# Allegro board pc065a_toplevel_58.brd (continued)
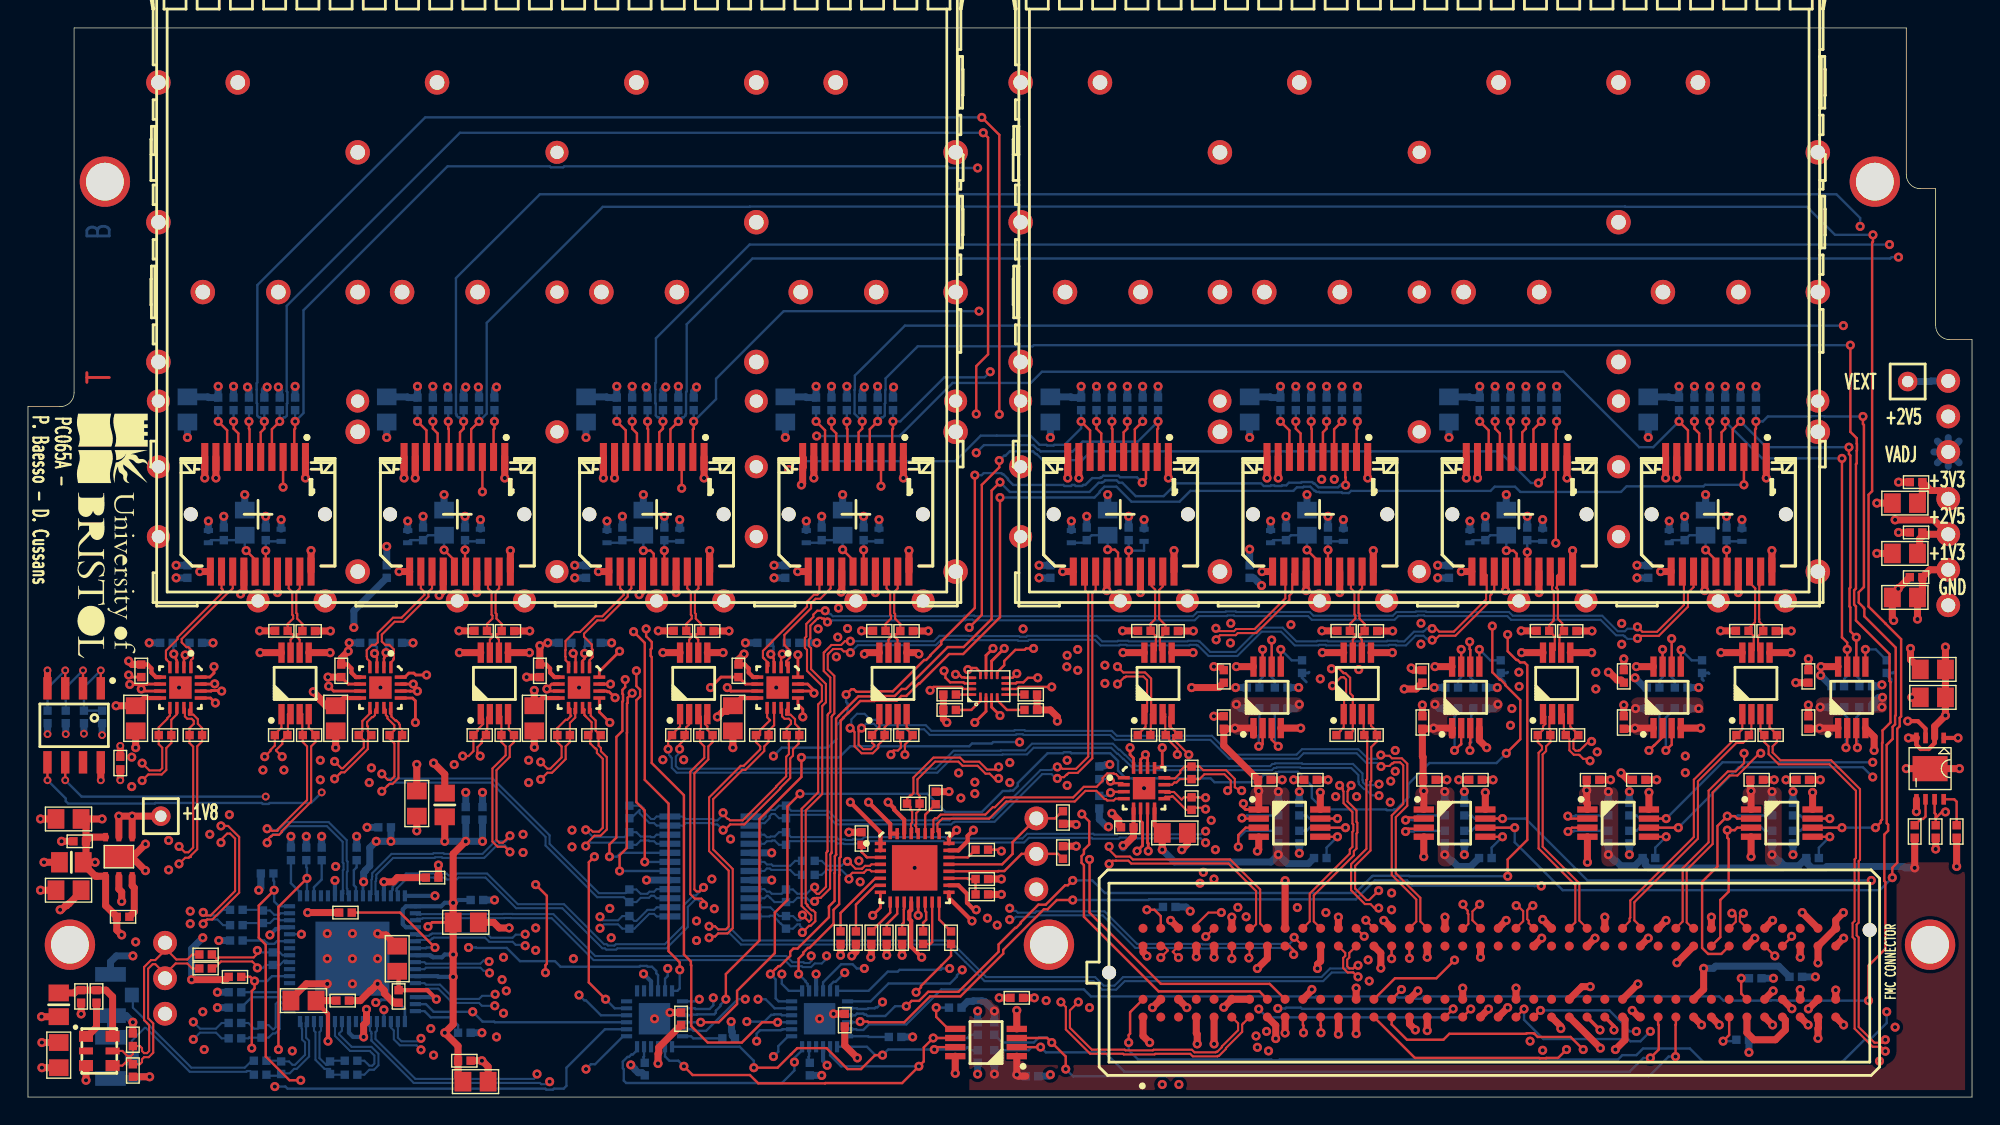
[diagram p0: board, top side]
## Routing (per net, layer and track width the routed paths; a pad name or vN(x,y) marks a point on that pad's centre or on a via; arc(x,y) is an arc through that point) (continued)
P1V3: length 39.9
  TOP w0.3: U11.2 136.32,25.33 135.9,24.9 135.33,24.9 135.03,25.2 U11.4
  TOP w0.5: R34.2 v2(30.82,33.36) ; R124.2 v2(83.32,33.35) ; R35.2 v2(35.87,33.35) ; R123.2 v2(78.27,33.36) ; R108.2 v2(111.82,33.35) ; R50.2 v2(59.6,33.36) ; R42.2 v2(45.07,33.36) ; R100.2 v2(126.07,33.35) ; R107.2 v2(106.77,33.36) ; J40.2 135.98,37.73 C36.2 135.45,36.1 C37.2 v2(135.1,34.2) ; R23.2 v2(21.62,33.35) ; U11.4 v2(134.45,25.7) ; R51.2 v2(64.37,33.35) ; R116.2 v2(97.57,33.35) ; R43.2 v2(50.12,33.35) ; v2(137.1,32.2) C100.2 C99.2 v2(137.1,27.3) 136.32,26.52 U11.2 ; R99.2 v2(121.02,33.36) ; R22.2 v2(16.57,33.36) ; R115.2 v2(92.52,33.36)
  L5_PWR w0.5: 136.52,38.51 J40.2 ; J40.2 137.3,38.76 ; J40.2 137.3,36.7 ; J40.2 138.08,36.95 ; J40.2 136.52,36.95 ; J40.2 136.27,37.73 ; J40.2 138.08,38.51
P1V8A: length 27.5
  TOP w0.3: C16.2 26.4,8.72 26.5,8.62 C18.2 28.55,7.65 v2(29.2,7) ; v2(21.45,4) 21.45,5.95 20.6,6.8 C19.2
  TOP w0.5: U2.5 v2(6.5,20.1) v2(7.45,20.1) ; U2.4 v2(7.45,20.1) ; v2(7.45,20.1) TP1.1 ; C20.2 C19.2
  L5_PWR w0.5: TP1.1 9.5,20.98 ; TP1.1 10.17,20.77 ; TP1.1 9.5,19.22 ; TP1.1 8.62,20.1 ; TP1.1 10.17,19.43 ; TP1.1 10.38,20.1 ; TP1.1 8.83,20.77 ; TP1.1 8.83,19.43
  BOTTOM w0.3: IC3.60 v2(21.45,4) ; v2(29.1,14.4) IC3.32 ; IC3.46 29.05,7.15 v2(29.2,7)
P2V5: length 173.5
  TOP w0.2: IC6.13 40.85,27.55 v2(41.6,26.8) ; v2(28.5,30.2) 27.73,30.2 27.59,30.34 27.24,30.34 26.95,30.05 IC5.16 ; IC13.16 79.05,24.24 78.8,24.49 v2(78.8,25) ; IC21.3 68.9,27.9 v2(69.5,27.3) ; IC4.13 13.05,28.55 v2(13.4,28.2) ; v2(27.7,26.8) 27.7,28.35 27.5,28.55 IC5.13 ; 88,20.58 87.05,20.58 86.9,20.72 v2(86.9,21) ; IC4.16 13.01,30.05 13.3,30.34 v2(13.3,30.8) ; v2(42.3,31.9) 40.85,30.45 IC6.16 ; IC13.13 80.9,23.55 81.1,23.75 v2(81.1,25) ; v2(55.4,27.2) 55.4,27.75 55.05,28.1 IC7.13 ; IC7.16 v2(55.05,31.65)
  TOP w0.3: C105.2 22.55,28.55 IC5.8 ; IC5.5 23.45,30.05 23.13,30.37 23.13,30.67 22.85,30.95 C104.2 ; IC6.5 37.65,30.05 37.33,30.37 37.33,30.67 37.05,30.95 C106.2 ; IC13.8 80.55,19.45 C111.2 ; IC4.5 9.15,30.05 8.83,30.37 8.83,30.67 8.55,30.95 C102.2 ; IC7.8 50.95,28.55 C109.2 ; IC6.8 36.75,28.55 C107.2 ; IC7.5 51.85,30.05 51.53,30.37 51.53,30.67 51.25,30.95 C108.2 ; IC4.8 8.25,28.55 C103.2 ; IC13.5 C110.2
  TOP w0.5: 129.43,26.4 v2(128.1,26.4) 128.05,26.35 C95.2 ; R183.1 v2(134.9,16.4) ; C79.2 70.8,1.5 v2(70.7,1.6) IC11.1 ; 99.8,20.58 v2(99.8,21.9) 99.75,21.95 C83.2 99.75,24.33 99.7,24.38 C91.2 100.45,26.35 v2(100.5,26.4) IC18.1 101.83,25.9 ; 135.58,40.27 J40.3 136.27,41.3 v2(133.5,41.3) ; 135.58,40.27 C38.2 ; 135.58,40.27 135.26,39.95 135.26,39.06 C39.2 ; C87.2 123.15,21.95 v2(123.2,21.9) 123.2,20.58 ; C107.2 v2(36.2,29.1) ; v2(22.9,31.9) 22.4,31.4 C104.2 ; v2(20.4,29) 20.9,28.5 20.9,28.4 21.3,28 C105.2 ; C93.2 114.85,26.35 v2(114.9,26.4) 116.22,26.4 ; 87.62,25.9 IC17.1 v2(86.3,26.4) 86.25,26.35 C89.2 85.5,25.15 C81.2 87.95,21.95 ; v2(81.1,25) 81.09,24.99 ; C109.2 50,27.6 49.7,27.6 49.3,27.2 v2(49.29,27.2) ; v2(78.3,18) 78.4,18 79.05,18.65 C110.2 ; 87.95,21.95 v2(88,21.9) 88,20.58 ; 87.95,21.95 87.9,22 ; v2(7.2,31.2) 7.45,30.95 C102.2 ; 111.5,20.58 111.5,21.01 111.45,21.06 v2(111.45,21.95) ; C111.2 v2(81.1,17.7) ; v2(51.2,31.7) 50.8,31.3 C108.2 ; 111.5,21.9 v2(111.45,21.95) ; v2(111.45,21.95) C85.2 ; C103.2 v2(6.3,28) ; C106.2 v2(36.6,32.3)
  L5_PWR w0.5: J39.2 137.3,49.73 ; J39.2 136.27,48.7 ; J39.2 138.08,47.92 ; J39.2 136.52,49.48 ; J39.2 136.52,47.92 ; J39.2 138.08,49.48 ; J39.2 137.3,47.67
  BOTTOM w0.2: 91.6,30.4 91.55,30.35 R158.1 91.1,30 91.4,29.7 ; 105.8,30.4 105.75,30.35 R163.1 105.3,30 105.6,29.7 ; 133.4,30.4 133.35,30.35 R173.1 132.9,30.2 133.2,29.9 133.2,29.7 ; 120.2,30.3 120.15,30.35 R168.1 119.7,29.9 119.8,29.8
  BOTTOM w0.5: v2(132.56,27.9) R171.2 131.85,28.1 131.9,28.15 131.9,28.17 132.28,28.56 132.31,28.56 132.35,28.6 v2(132.6,28.6) ; v2(81.1,17.7) 81.98,16.82 88.87,16.82 v2(89.4,17.35) ; R147.2 v2(113,21.85) ; v2(70.7,1.6) 70.8,1.5 C79.2 ; 125.59,16.55 125.26,16.88 125.16,16.88 v2(124.7,17.35) R151.2 ; 125.59,16.55 125.43,16.39 115.88,16.39 115.64,16.63 115.64,16.91 R148.1 114.9,16.55 113.89,16.55 113.56,16.88 113.46,16.88 v2(113,17.35) R146.2 ; 125.59,16.55 126.6,16.55 R153.1 127.2,17.05 127.2,16.74 127.55,16.39 128.52,16.39 128.63,16.5 134.1,16.5 134.2,16.4 v2(134.9,16.4) ; R66.1 v2(41.73,32.5) ; R157.2 86.7,27.8 86.4,28.1 v2(86.4,28.1) ; R141.2 v2(101.3,17.35) 101.76,16.88 101.86,16.88 102.25,16.5 103.15,16.5 R143.1 ; v2(78.3,18) 78.3,17.82 ; R137.2 v2(89.4,21.85) ; R58.1 v2(13.23,32.5) ; R142.2 v2(101.3,21.85) ; R162.2 100.9,27.8 100.6,28.1 v2(100.6,28.1) ; R166.2 v2(119.45,27.8) ; R161.2 104.8,27.8 v2(105.1,28.1) ; R71.1 v2(51.3,32.5) ; R136.2 v2(89.4,17.35) ; v2(89.4,17.35) 90.05,16.7 91.55,16.7 R138.1 ; v2(77.26,19.34) 77.13,19.34 76.6,19.87 R96.1 ; R152.2 v2(124.7,21.85) ; R167.2 v2(114.95,27.8) ; R172.2 v2(128.15,27.9) ; R70.1 v2(56.4,32.5) ; R131.2 v2(69.1,6.15) 68.41,6.84 68.25,6.84 68.2,6.89 67.6,6.89 67.55,6.84 67.19,6.84 R133.1 ; R59.1 v2(8.67,32.5) ; R95.1 76.66,23.7 76.98,23.7 77.08,23.8 v2(77.35,23.8) ; v2(90.9,28.1) 90.6,27.8 R156.2 ; R132.2 v2(69.1,1.65) ; R62.1 v2(27.53,32.5) ; R63.1 v2(22.97,32.5) ; R67.1 v2(37.17,32.5)
P3V3: length 194.8
  TOP w0.2: IC21.2 68.5,27.6 v2(67.7,26.8)
  TOP w0.3: v2(67.8,13.4) 67.64,13.4 67.14,13.9 67.14,14.54 66.53,15.15 IC9.18 ; IC9.24 65.85,18.55 v2(66.4,19.1) ; v2(60.1,21.1) 61.65,19.55 IC9.32 IC9.31 ; v2(58.8,21.1) 60.95,18.95 IC9.1 IC9.2 ; U11.1 v2(138,25.7) ; IC9.12 63.15,13.4 63.02,13.26 63.02,12.74 63.15,12.6 63.15,10.75 v2(63.9,10)
  TOP w0.5: 127.6,20.58 v2(127.6,21.8) ; v2(98.4,29.2) 99.25,29.2 C92.2 ; v2(73.6,26.9) 73.6,27.2 73.1,27.7 R176.2 R178.2 ; 18.12,31.8 v2(16.6,31.8) ; R182.1 v2(136.4,17.75) ; IC18.8 v2(100.6,30.8) ; C97.2 58.4,3.7 v2(59.3,2.8) ; U9.8 v2(92.55,31.8) ; v2(127.98,4.2) 127.98,4.9 128.02,4.93 128.02,5.46 127.98,5.49 J10.C39 ; R94.2 v2(74.95,17.95) ; v2(83.2,29.3) 85.15,29.3 C90.2 ; 124.17,7 v2(124.78,7.6) ; 129.43,30.8 v2(128.2,30.8) ; J40.4 136.71,43.4 136.05,43.4 C1.2 135.45,42.85 C2.2 ; 126.72,7 v2(126.72,7.69) ; U5.8 v2(45.4,31.8) ; 116.22,30.8 v2(115,30.8) ; C88.2 v2(125.7,22.7) ; R84.1 v2(61.4,10.15) ; U6.8 59.9,31.8 v2(59.8,31.7) ; v2(113.9,23.2) 114.4,22.7 C86.2 ; C80.2 v2(69.45,7.1) ; R93.2 74.89,19.55 v2(74.95,19.49) ; C84.2 v2(102.3,22.7) ; L1.1 v2(1.15,16.8) ; U7.8 v2(121.05,31.8) ; C4.2 v2(0.9,14.8) ; C3.2 v2(27.8,23.8) ; U8.8 v2(106.8,31.8) ; C82.2 v2(90.5,22.7) ; C98.2 45.1,3.55 45.1,3.15 45.05,3.1 v2(45.05,2.4) ; L3.1 v2(0.97,5.75) ; C94.2 113.91,29.84 113.63,29.84 113.07,30.4 v2(113,30.4) ; v2(29,23.9) 29.8,23.1 L2.1 ; 104.2,20.58 v2(104.2,21.8) ; 92.4,20.58 v2(92.4,21.8) ; IC1.8 v1(5.21,22.67) ; C96.2 v2(126.4,29.65) ; R82.1 v2(69.6,15.6) ; 115.9,20.58 v2(115.9,21.8) ; C6.2 v2(1,3.9) ; U4.8 v2(30.85,31.8) ; IC17.8 v2(86.4,30.8) ; 129.25,7 v2(129.25,7.66) ; IC11.8 v2(66.3,1.7) ; C112.1 v1(6.6,22.67) ; U10.8 v2(78.3,31.8) ; U11.5 v2(135.03,20.42)
  L7_PWR w0.5: 137.3,41.78 J40.4 ; J40.4 136.52,42.03 ; J40.4 138.08,43.59 ; J40.4 138.08,42.03 ; J40.4 136.52,43.59 ; J40.4 136.27,42.81 ; J40.4 137.3,43.84
  BOTTOM w0.3: IC23.21 v2(45.05,2.4) ; v2(57.14,2.27) 57.1,2.31 57.1,2.34 56.85,2.59 IC10.21
  BOTTOM w0.5: R201.2 v1(5.3,25.9) ; R114.2 v2(104.9,50.85) ; v2(50.28,5.4) 50.3,5.37 50.3,4.73 50.36,4.67 50.36,4.39 R180.1 ; v2(17.9,50.8) 17.9,50.7 18,50.6 R28.2 ; R144.2 v2(102.7,17.35) ; C31.2 v2(10.6,37.15) ; R140.2 v2(90.9,21.85) ; 55.65,40.54 v2(55.65,41.22) ; v2(59.8,50.8) 59.8,50.7 59.65,50.55 R55.2 ; R24.1 v2(19.1,50.85) ; v2(30,50.8) 30,50.7 30.05,50.65 R38.2 ; 103.1,40.54 v2(103.1,41.22) ; v2(45.6,50.8) 45.6,50.8 45.4,50.6 R47.2 ; v2(33.5,50.8) 33.5,50.8 33.35,50.65 R36.1 ; R40.2 32.25,50.75 32.2,50.8 v2(32.2,50.8) ; v2(103.8,50.85) R110.1 103.12,50.05 103.07,50.1 C65.2 ; 88.85,40.54 v2(88.85,41.22) ; C46.2 41.37,50.1 41.42,50.05 R45.1 v2(42.1,50.85) ; R29.2 v2(14.7,50.85) ; 41.4,40.54 v2(41.4,41.22) ; v2(89.55,50.85) R118.1 88.87,50.05 88.82,50.1 C70.2 ; R145.2 v2(102.7,21.85) ; 27.15,40.54 v2(27.15,41.22) ; C32.2 12.87,50.1 12.92,50.05 R25.1 v2(13.6,50.85) ; L14.1 v2(108.3,41.32) ; R44.1 47.6,50.5 47.8,50.7 v2(47.8,50.8) ; C69.2 87.65,37.15 87.93,36.87 87.94,36.87 v2(88.2,36.6) ; 117.35,40.54 v2(117.35,41.22) ; R175.2 v2(128.18,30.17) ; R105.2 v2(122.45,50.85) ; v2(61.89,50.8) 61.85,50.76 R52.1 ; C51.2 55.62,50.1 55.67,50.05 R53.1 v2(56.35,50.85) ; R165.2 v2(100.55,29.3) ; R139.2 v2(90.9,17.44) ; R48.2 v2(46.5,50.85) ; v2(75.3,50.85) R126.1 74.62,50.05 74.57,50.1 C75.2 ; R135.2 v2(67.9,1.65) ; R41.2 v2(28.95,50.85) ; R104.2 v2(121.35,50.85) ; C59.2 v2(115.05,37.15) ; C50.2 v2(53.35,37.15) ; C45.2 v2(39.1,37.15) ; R56.2 v2(60.75,50.85) ; R111.2 v2(106,50.85) ; R46.2 44.3,50.5 44.2,50.6 v2(44.2,50.8) ; R150.2 v2(114.5,21.85) ; R27.2 16.9,50.6 17.1,50.8 v2(17.1,50.8) ; L18.1 v2(79.8,41.32) ; R121.2 v2(93.95,50.85) ; 74.6,40.54 v2(74.6,41.22) ; R57.2 v2(57.45,50.85) ; R26.2 15.8,50.7 15.7,50.8 v2(15.7,50.8) ; R159.2 v2(90.85,29.3) ; R128.2 v2(78.6,50.85) ; R174.2 132.3,29.4 132.4,29.5 v2(132.56,29.5) ; v2(23.3,33.6) 23.3,34.8 C40.2 ; R125.1 v2(80.8,50.85) ; R103.2 v2(120.25,50.85) ; R129.2 v2(79.7,50.85) ; L12.1 v2(122.55,41.32) ; L16.1 v2(94.05,41.32) ; R122.2 v2(90.65,50.85) ; R119.2 v2(91.75,50.85) ; R109.1 v2(109.3,50.85) ; R120.2 v2(92.85,50.85) ; R106.2 v2(119.15,50.85) ; L6.1 v2(32.35,41.32) ; C64.2 v2(100.8,37.15) ; v2(27.85,50.85) R37.1 27.17,50.05 27.12,50.1 C41.2 ; R49.2 v2(43.2,50.85) ; L10.1 v2(60.85,41.32) ; 12.9,40.54 v2(12.9,41.22) ; R155.2 v2(126.2,21.85) ; R130.2 v2(76.4,50.85) ; R170.2 115.6,29.3 v2(114.9,30) ; v2(118.05,50.85) R102.1 117.37,50.05 117.32,50.1 C60.2 ; R101.1 v2(123.55,50.85) ; R160.2 v2(86.35,29.3) ; R164.2 v2(105.05,29.3) ; IC8.5 v2(44.23,15.53) ; IC8.20 v2(53.17,15.53) ; R134.2 v2(67.9,6.15) ; R149.2 v2(114.5,17.35) ; R39.2 31.15,50.55 31.3,50.7 v2(31.3,50.8) ; R117.1 v2(95.05,50.85) ; L8.1 v2(46.6,41.32) ; R127.2 v2(77.5,50.85) ; R112.2 v2(107.1,50.85) ; R54.2 v2(58.55,50.85) ; C74.2 v2(72.3,37.15) ; L4.1 v2(18.1,41.32) ; R33.2 v2(127.8,8.6) ; R169.2 v2(119.45,29.3) ; R113.2 v2(108.2,50.85) ; R154.2 v2(126.2,17.35)
P3V3A: length 26
  TOP w0.5: R6.1 v2(20,13.2) ; C5.2 4.15,17 L1.2 ; C5.2 4.15,19.55 C8.2 v2(5.3,19.9) ; C5.2 4.45,18.6 U2.6 ; R9.1 14.15,8.4 v2(11.7,8.4) ; L1.2 v2(4.8,16.8) ; L1.2 3.95,16.68 4.82,15.81 4.94,15.81 4.95,15.8 U2.1 5.55,13.7 R2.1 6.35,11.95 v2(6.7,11.6)
  BOTTOM w0.3: v2(17.3,11.6) 17.73,12.03 17.9,12.03 18.02,12.15 IC3.13
  BOTTOM w0.5: v2(11.7,8.4) 11.7,10.6 v2(12.5,11.4) ; R7.1 16.65,14.95 v2(16.5,14.8) ; R8.1 v2(19.9,18.65)
P3V3B: length 64.2
  TOP w0.2: v2(28.6,12.2) 28.9,12.5 C12.2
  TOP w0.5: v2(24,4.3) 24,5.16 24.2,5.37 v2(24.2,6.28) ; C17.2 30.75,1.45 C15.2 30.75,3.65 v2(29.8,4.6) 30.4,5.2 v2(30.4,8.6) v2(30.4,10.2) C12.2 v2(30.4,13.9) 30.4,17.4 v2(31.3,18.3) ; v2(25.45,15.4) 26.11,15.4 26.41,15.7 C7.2 ; L2.2 v2(29.8,18.3)
  BOTTOM w0.2: IC3.52 v2(25.45,6.25) ; v2(24,15.4) 23.95,15.35 IC3.26 ; IC3.49 26.95,6.3 26.29,6.96 25.26,6.96 25.2,6.9 25,6.9 v2(24.87,6.77)
  BOTTOM w0.3: v2(30.4,10.2) 29.8,10.2 29.6,10 28.97,10 28.9,10.07 28.84,10.07 28.75,10.15 IC3.40 ; IC3.43 29.29,8.65 29.34,8.6 v2(30.4,8.6) ; IC3.36 27.02,12.15 26.8,12.37 26.8,13.43 27.02,13.65 IC3.33 29.55,13.65 29.8,13.9 v2(30.4,13.9) 30.56,13.9 30.76,14.1 C9.2 ; v2(24,4.3) 23.25,4.3 22.95,4.6 IC3.57 ; IC3.22 v2(21.95,15.5) ; v2(25.45,15.4) IC3.29
  BOTTOM w0.5: v2(31.3,18.3) v2(29.8,18.3) v2(25.95,18.3) ; v2(31.3,18.3) C11.2 ; v2(31.3,18.3) v2(32.5,18.3) C14.2 ; v2(24,15.4) 24,16.06 24.13,16.19 24.13,16.23 24.44,16.53 24.44,17.84 v2(24.9,18.3) v2(25.95,18.3) ; C13.2 v2(25.95,18.3)
P3V3C: length 7
  TOP w0.5: QZ1.6 6.05,7.18 5.58,7.65 R3.1 C10.2 3.52,7.65 3.32,7.45 L3.2
P12V: length 5.4
  TOP w0.5: J10.C37 125.65,5.52 125.65,4.81 124.94,4.1 123.41,4.1 122.91,4.6 J10.C35
3P3VAUX: length 9
  TOP w0.5: v2(119.81,9.21) 119.81,7.71 119.09,7
  BOTTOM w0.5: R33.1 125.19,9.37 120.67,9.37 120.51,9.21 v2(119.81,9.21)
CDR_CLK_N: length 15.4
  TOP w0.15: IC13.4 77.76,21.35 77.63,21.22 77.17,21.22 77.06,21.32 76.98,21.32 76.39,21.91 75.61,21.91 74.85,21.15 69.95,21.15 68.72,19.92 65.38,19.92 65.03,19.57 65.03,19.01 65.13,18.9 65.13,18.87 IC9.25
CDR_CLK_P: length 16.3
  TOP w0.15: IC13.1 78.05,22.85 77.78,23.12 77.68,23.12 77.63,23.16 77.17,23.16 76.84,22.83 76.84,22.63 76.41,22.2 75.49,22.2 74.73,21.44 69.83,21.44 69.13,20.74 68.98,20.74 68.45,20.21 65.26,20.21 65,19.95 64.85,19.95 64.74,19.84 64.74,18.94 IC9.26
CDR_D_N: length 49.9
  TOP w0.15: IC9.28 63.51,18.99 63.51,19.35 63.42,19.43 63.51,19.52 63.51,20.32 63.75,20.56 R92.2 63.75,21.56 63.6,21.71 63.6,22.74 64.86,24 66.52,24 66.82,23.7 67.9,23.7 68.46,23.14 68.76,23.14 69.1,22.8 v2(69.4,22.8) ; 87.34,5.73 86.92,5.3 86.92,5.29 86.81,5.18 86.81,4.66 85.66,3.5 85.66,3.45 85.16,2.95 85.09,2.95 85.05,2.91 83.29,2.91 83.1,3.1 80.6,3.1 80.55,3.05 78.35,3.05 78.3,3.1 75.94,3.1 74.21,4.83 74.21,6.44 v2(73.85,6.8)
  L6_SIG w0.15: v2(73.85,6.8) 74.27,7.21 74.27,7.71 75.68,9.12 75.68,15.78 75.17,16.29 75.17,16.32 75.15,16.35 75.15,16.38 73.39,18.14 73.39,21.77 72.04,23.12 70.65,23.12 70.59,23.06 69.97,23.06 69.94,23.03 69.79,23.03 69.73,22.97 69.67,22.97 69.5,22.8 v2(69.4,22.8)
CDR_D_P: length 50.2
  TOP w0.15: v2(75.1,6.8) 74.5,6.2 74.5,4.95 76.06,3.39 78.42,3.39 78.47,3.34 80.43,3.34 80.48,3.39 83.22,3.39 83.41,3.2 84.93,3.2 84.97,3.24 85.04,3.24 85.36,3.57 85.36,3.62 86.52,4.78 86.52,5.28 86.08,5.73 ; IC9.29 63.22,18.92 63.22,19.23 63.13,19.31 63.13,19.55 63.22,19.64 63.22,20.44 63.1,20.56 63.1,20.75 R92.1 62.85,21.35 63.09,21.59 63.09,21.59 63.16,21.59 63.31,21.74 63.31,22.86 64.74,24.29 66.64,24.29 66.94,24 68.02,24 68.58,23.43 69.21,23.43 v2(69.4,23.62)
  L6_SIG w0.15: v2(75.1,6.8) 74.6,7.3 74.6,7.6 75.99,8.99 75.99,15.91 75.48,16.42 75.48,16.45 75.46,16.48 75.46,16.51 73.7,18.27 73.7,21.9 72.17,23.43 70.52,23.43 70.46,23.37 69.84,23.37 69.81,23.34 69.72,23.34 69.63,23.43 69.6,23.43 69.5,23.53 69.49,23.53 v2(69.4,23.62)
CDR_IN_N: length 5.6
  TOP w0.15: v2(58.7,15.6) 58.7,15.8 58.95,16.05 59.76,16.05 59.97,16.26 60.2,16.26 60.3,16.15 IC9.5
  BOTTOM w0.15: C55.2 56.75,15.9 57.11,16.26 58.16,16.26 58.7,15.71 v2(58.7,15.6)
CDR_IN_P: length 5.4
  TOP w0.15: v2(58.59,16.86) 58.61,16.85 58.76,16.85 58.84,16.77 58.84,16.67 59.17,16.34 59.64,16.34 59.85,16.55 60.2,16.55 60.3,16.65 IC9.4
  BOTTOM w0.15: C56.2 56.75,16.9 57.11,16.55 58.16,16.55 58.46,16.85 58.57,16.85 v2(58.59,16.86)
CDR_LOL: length 32.8
  TOP w0.17: v2(63.5,7.5) 63.85,7.85 63.85,7.95 65.33,9.43 65.33,9.44 66,10.11 R91.2
  L3_SIG w0.17: v2(39.4,7.3) 40.59,7.3 40.96,7.67 41.44,7.67 41.48,7.62 43.52,7.62 43.52,7.62 44.91,7.62 44.91,7.62 48.72,7.62 48.76,7.67 49.24,7.67 49.28,7.62 52.57,7.62 52.59,7.61 52.77,7.61 52.78,7.6 62.91,7.6 63.01,7.5 v2(63.5,7.5)
  BOTTOM w0.17: IC23.4 40.97,5.85 39.9,6.92 39.78,6.92 v2(39.4,7.3)
CDR_LOS: length 43.4
  TOP w0.17: v2(41.3,7) 40.1,8.2 40.1,16.8 v2(40.5,17.2) ; v2(69.6,17.6) 69.5,17.7 R89.1
  L3_SIG w0.17: v2(40.5,17.2) 41.01,17.7 41.01,17.71 41.34,18.05 41.81,18.05 41.86,18 49.89,18 50,17.89 50.47,17.89 50.63,18.05 69.11,18.05 69.17,17.98 69.22,17.98 v2(69.6,17.6)
  BOTTOM w0.17: v2(41.3,7) 41.95,6.35 IC23.5
CLK_IN_N<0>: length 11.6
  BOTTOM w0.15: PX2.1 7.5,7.23 7.5,6.4 8.3,5.6 8.3,5.49 11.69,2.1 15.5,2.1 16,2.6 C22.2
CLK_IN_N<1>: length 89.3
  TOP w0.15: v2(87.3,9.95) 87.34,10 87.34,10.8
  L3_SIG w0.15: v2(11.82,5.37) 12.23,4.96 12.27,4.96 12.31,4.91 19.91,4.91 20.51,5.51 26.37,5.51 26.67,5.81 31.23,5.81 31.58,5.46 31.96,5.46 32.01,5.51 32.09,5.51 32.13,5.55 33.18,5.55 33.56,5.17 38.59,5.17 38.64,5.22 44.38,5.22 44.77,4.83 47.82,4.83 47.87,4.79 48.33,4.79 48.38,4.83 51.7,4.83 51.74,4.87 52.46,4.87 52.52,4.81 52.96,4.81 53.29,4.49 53.5,4.49 53.57,4.42 59.64,4.42 60.07,4.85 60.11,4.85 60.51,5.25 60.57,5.25 60.6,5.28 63.82,5.28 63.89,5.21 65.23,5.21 65.74,4.7 72.13,4.7 72.26,4.83 72.94,4.83 73,4.77 73.56,4.77 73.61,4.73 78.29,4.73 78.34,4.77 79.16,4.77 79.23,4.7 79.77,4.7 79.84,4.77 80.56,4.77 80.63,4.7 83.13,4.7 83.19,4.76 83.88,4.76 83.94,4.7 85.4,4.7 85.99,4.11 87.26,4.11 87.47,4.32 87.76,4.32 v2(87.81,4.37)
  L6_SIG w0.15: v2(87.81,4.37) 87.76,4.32 87.47,4.32 87.26,4.11 86.97,4.11 86.82,4.26 86.82,9.47 v2(87.3,9.95)
  BOTTOM w0.15: v2(11.82,5.37) 12.3,4.9 13.44,4.9 13.85,5.3 C24.2
CLK_IN_N<2>: length 87.1
  TOP w0.15: v2(84.2,20.6) 84.1,20.7 83.35,20.7 R98.1 82.81,20.55 81.82,21.54 81.77,21.49 81.33,21.49 81.25,21.41 IC13.9 ; v2(13.8,18.21) 13.8,18.41 14.24,18.85 14.45,18.85 14.81,18.49 14.81,14.74 13.06,13 12.75,13 v2(12.53,13.21)
  L3_SIG w0.15: v2(13.8,18.21) 13.8,18.58 13.95,18.73 15.64,18.73 16.96,20.05 17.6,20.05 17.68,20.14 48.85,20.14 49.14,20.43 49.14,20.58 49.47,20.91 49.64,20.91 49.84,21.1 53.1,21.1 54.05,20.15 61.85,20.15 62.25,20.55 66.32,20.55 66.34,20.53 67.06,20.53 67.08,20.55 71.14,20.55 71.69,21.1 72.51,21.1 72.71,20.9 83.52,20.9 83.72,20.7 84.1,20.7 v2(84.2,20.6)
  BOTTOM w0.15: v2(12.53,13.21) 12.75,13 13.54,13 13.95,13.4 C26.2
CLK_IN_N<3>: length 7
  BOTTOM w0.15: C28.2 24.05,1.6 24.41,1.96 24.74,1.96 25.06,2.27 25.06,3.09 24.56,3.59 23.15,3.59 22.24,4.5 22.24,4.54 22.45,4.75 IC3.58
CLK_IN_P<0>: length 11.8
  BOTTOM w0.15: PX1.1 7.42,4.03 8.35,4.95 8.42,4.95 11.57,1.81 15.62,1.81 15.67,1.86 15.89,1.86 C21.2
CLK_IN_P<1>: length 90
  TOP w0.15: v2(86.08,9.9) 86.08,10.8
  L3_SIG w0.15: v2(87.9,3.56) 87.9,3.56 87.87,3.59 87.47,3.59 87.26,3.8 85.86,3.8 85.27,4.39 83.81,4.39 83.75,4.45 83.32,4.45 83.26,4.39 80.5,4.39 80.43,4.46 79.97,4.46 79.9,4.39 79.1,4.39 79.03,4.46 78.47,4.46 78.42,4.42 73.48,4.42 73.43,4.46 72.87,4.46 72.81,4.52 72.39,4.52 72.26,4.39 65.61,4.39 65.1,4.9 63.76,4.9 63.69,4.97 60.73,4.97 60.7,4.94 60.64,4.94 60.24,4.54 60.2,4.54 59.77,4.11 53.44,4.11 53.37,4.18 53.16,4.18 52.83,4.5 52.39,4.5 52.33,4.56 51.87,4.56 51.83,4.53 48.51,4.53 48.46,4.48 47.74,4.48 47.69,4.53 44.64,4.53 44.25,4.91 38.77,4.91 38.72,4.86 33.43,4.86 33.05,5.24 32.26,5.24 32.22,5.2 32.14,5.2 32.09,5.15 31.45,5.15 31.1,5.5 26.8,5.5 26.5,5.2 20.64,5.2 20.04,4.6 12.29,4.6 v2(11.82,4.13)
  L6_SIG w0.15: v2(87.9,3.56) 87.87,3.59 87.47,3.59 87.26,3.8 86.84,3.8 86.51,4.13 86.51,9.47 v2(86.08,9.9)
  BOTTOM w0.15: C23.2 13.85,4.2 13.44,4.61 12.3,4.61 v2(11.82,4.13)
CLK_IN_P<2>: length 87.5
  TOP w0.15: v2(13.8,19.4) 14.31,19.4 15.1,18.61 15.1,14.62 13.18,12.71 12.81,12.71 12.76,12.66 12.7,12.66 12.53,12.48 12.53,12.4 v2(12.53,12.39) ; v2(84.2,21.42) 84.11,21.42 84.1,21.43 83.72,21.43 83.7,21.45 R98.2 82.65,21.45 82.49,21.29 81.94,21.83 81.7,21.83 81.65,21.78 81.32,21.78 IC13.10
  L3_SIG w0.15: v2(13.8,19.4) 13.8,19.19 13.95,19.04 15.51,19.04 16.84,20.37 17.47,20.37 17.56,20.45 48.72,20.45 48.83,20.56 48.83,20.71 49.34,21.22 49.51,21.22 49.71,21.41 53.23,21.41 54.18,20.46 61.72,20.46 62.12,20.86 66.45,20.86 66.47,20.84 66.93,20.84 66.95,20.86 71.01,20.86 71.56,21.41 71.74,21.41 71.79,21.46 72.53,21.46 72.55,21.44 72.65,21.44 72.87,21.21 83.5,21.21 83.71,21.42 v2(84.2,21.42)
  BOTTOM w0.15: v2(12.53,12.39) 12.53,12.4 12.53,12.48 12.7,12.66 12.76,12.66 12.81,12.71 13.54,12.71 13.95,12.3 C25.2
CLK_IN_P<3>: length 6.4
  BOTTOM w0.15: C27.2 24.05,2.6 24.41,2.25 24.62,2.25 24.77,2.39 24.77,2.97 24.44,3.3 23.03,3.3 21.95,4.38 IC3.59
CLK_INTR_B: length 40.3
  L6_SIG w0.17: v2(19.55,11.65) 19.55,2.65 v2(17.65,0.75)
  BOTTOM w0.17: IC3.12 v2(19.55,11.65) ; v2(17.65,0.75) 18.41,0.75 18.56,0.6 36.99,0.6 37.06,0.53 37.54,0.53 37.6,0.6 38.3,0.6 38.5,0.8 38.5,2.1 41.25,4.85 IC23.2
CLK_LOL_B: length 15.6
  BOTTOM w0.17: IC3.47 28.45,6.65 29,6.1 v2(31.8,6.1) 32.5,5.4 33.33,5.4 33.38,5.35 IC23.3
CLK_MAIN_N<0>: length 21.6
  TOP w0.15: v2(17.1,18.2) 17.1,18.4 17.36,18.66 17.41,18.66 17.51,18.76 17.94,18.76 18.14,18.96 18.14,19.03 20.25,21.13 20.25,25.09 20.55,25.4 R186.2 20.55,25.96 20.07,26.44 U3.4
  BOTTOM w0.15: v2(17.1,18.2) 17.1,18.4 17.5,18.8 18.01,18.8 18.6,19.39 21.38,19.39 22.5,18.26 22.5,16.79 22.56,16.73 22.56,16.27 22.51,16.22 22.51,14.81 22.55,14.78 22.55,14.55 22.45,14.45 IC3.23
CLK_MAIN_N<1>: length 23.7
  TOP w0.15: v2(34.46,18.7) 33.96,18.2 33.7,18.2 33.5,18.4 33.5,23.39 34.45,24.33 34.45,25.09 34.75,25.4 R188.2 34.39,26.27 34.39,27.34 34.33,27.4
  BOTTOM w0.15: IC3.27 24.56,14.51 24.56,15.55 24.6,15.59 24.6,15.75 24.61,15.77 24.61,16.03 25.99,17.4 28.95,17.4 29,17.45 29.7,17.45 29.75,17.4 32.5,17.4 33.39,18.29 34.15,18.29 34.3,18.44 34.3,18.54 v2(34.46,18.7)
CLK_MAIN_N<2>: length 42.4
  TOP w0.15: U5.4 48.53,27.4 48.41,27.28 48.41,26.7 48.58,26.53 48.58,26.27 R190.2 48.95,25.4 48.65,25.09 48.65,24.16 47.65,23.16 47.65,14.86 47.8,14.71 48.01,14.71 v2(48.3,15)
  BOTTOM w0.15: v2(48.3,15) 48.02,14.72 48.02,14.68 47.77,14.42 47.59,14.42 46.88,13.72 46.88,12.29 45.54,10.94 42.03,10.94 41.93,10.84 41.47,10.84 41.37,10.94 41.19,10.94 38.32,13.8 35.02,13.8 32.83,15.99 30.66,15.99 30.52,15.86 30.08,15.86 29.95,15.98 29.14,15.98 29.13,15.99 27.03,15.99 26.27,15.23 26.27,15.23 26.07,15.03 26.07,14.9 26.07,14.9 26.07,14.8 25.95,14.69 IC3.30
CLK_MAIN_N<3>: length 55.2
  TOP w0.15: v2(62.7,24.5) 62.7,25.22 63.25,25.77 R192.2 62.88,26.27 62.88,26.41 62.83,26.47 U6.4
  L6_SIG w0.15: v2(56,10.1) 56.5,10.6 56.5,12.42 56.82,12.74 56.82,24.26 58.36,25.8 61.3,25.8 61.81,25.29 61.81,25.18 62.49,24.5 v2(62.7,24.5)
  BOTTOM w0.15: IC3.34 27.8,13.05 28.08,13.05 28.11,13.09 33.95,13.09 33.97,13.11 34.63,13.11 34.65,13.09 37.56,13.09 40.56,10.09 54.22,10.09 54.66,9.65 55.45,9.65 55.51,9.59 55.87,9.59 56.03,9.74 56.03,9.96 56,9.99 56,10 56,10 v2(56,10.1)
CLK_MAIN_N<4>: length 73.2
  TOP w0.15: 81.61,26.5 81.61,27.18 81.78,27.35 81.78,27.4 81.71,27.34 81.71,26.47 82.25,25.93 R200.2 81.89,25.9 81.89,25.62 v2(83,24.5)
  L3_SIG w0.15: v2(35.55,11.65) 35.72,11.48 38.65,11.48 39.54,10.6 47.82,10.6 47.83,10.59 48.26,10.59 48.26,10.6 55.2,10.6 56.15,11.55 70.34,11.55 72.03,13.25 72.05,13.25 72.2,13.4 76.63,13.4 79.13,15.9 83.64,15.9 83.75,16.02 83.96,16.02 84.03,16.08 v2(84.04,16.08)
  L6_SIG w0.15: v2(83,24.5) 83,23.2 83.5,22.7 83.5,18.07 83.53,18.04 83.53,17.36 83.5,17.33 83.5,16.62 v2(84.04,16.08)
  BOTTOM w0.15: v2(35.55,11.65) 35.52,11.62 34.87,11.62 34.65,11.4 33.1,11.4 32.8,11.7 28.89,11.7 28.83,11.64 28.77,11.64 28.66,11.54 27.82,11.54 IC3.37
CLK_MAIN_N<5>: length 88.5
  TOP w0.15: v2(96.57,14.77) 95.9,14.1 95.71,14.1 94.89,14.92 94.89,16.54 95.99,17.64 95.99,22.57 96.05,22.63 96.05,25.05 96.45,25.45 R198.2 96.33,26.02 96.33,26.27 96.03,26.58 U9.4
  L3_SIG w0.15: v2(96.57,14.77) 96.4,14.6 96.2,14.6 95.71,14.11 95.64,14.11 94.25,12.72 94.25,12.64 93.93,12.32 93.85,12.32 89.5,7.97 68.25,7.97 67.77,8.46 59.56,8.46 59.35,8.26 56.6,8.26 56.58,8.24 52.85,8.24 52.83,8.26 49.54,8.26 49.5,8.3 48.5,8.3 48.46,8.26 44.65,8.26 44.65,8.25 43.78,8.25 43.78,8.26 41.74,8.26 41.7,8.3 40.7,8.3 40.66,8.26 35.84,8.26 34.8,9.3 33.91,9.3 33.71,9.5 33.55,9.5 33.46,9.59 33.43,9.59 33.31,9.7 v2(32.97,9.7)
  BOTTOM w0.15: IC3.41 28.35,9.65 28.45,9.54 32.35,9.54 32.57,9.77 32.86,9.77 32.93,9.7 v2(32.97,9.7)
CLK_MAIN_N<6>: length 112.6
  TOP w0.15: 110.28,27.4 110.28,26.51 110.85,25.93 R196.2 110.5,25.55 110.5,24.93 110.65,24.78 110.86,24.78 110.89,24.81 110.96,24.81 111.6,25.45 v2(111.8,25.45)
  L3_SIG w0.15: v2(33.4,7.35) 33.4,7.3 33.74,6.96 38.44,6.96 38.96,6.44 44.14,6.44 44.66,6.96 46.49,6.96 46.52,6.98 46.59,6.98 46.79,6.79 46.79,6.75 47.19,6.34 47.75,6.34 47.77,6.36 50.42,6.36 50.5,6.44 52.43,6.44 52.49,6.5 55.7,6.5 55.96,6.76 57.18,6.76 57.24,6.82 57.96,6.82 58.02,6.76 59.37,6.76 59.58,6.56 60.31,6.56 60.97,5.9 64.65,5.9 64.71,5.84 65.17,5.84 65.23,5.9 66.51,5.9 66.96,5.45 73.2,5.45 73.2,5.44 83.2,5.44 83.62,5.86 86.74,5.86 86.86,5.74 89.63,5.74 89.78,5.89 92.4,5.89 92.81,5.47 98.64,5.47 98.84,5.67 99.56,5.67 99.61,5.62 100.71,5.62 100.86,5.47 105.03,5.47 107.14,3.37 107.35,3.37 107.5,3.52 107.5,3.9 v2(107.4,4)
  L6_SIG w0.15: v2(111.8,25.45) 111.6,25.45 110.86,24.71 110.59,24.71 109.1,23.22 109.1,5.73 108.22,4.85 108.22,4.69 108.09,4.55 108.09,4.1 107.99,4 v2(107.4,4)
  BOTTOM w0.15: v2(33.4,7.35) 33.29,7.24 32.47,7.24 32.25,7.02 30.48,7.02 29.45,8.04 28.45,8.04 28.35,8.15 IC3.44
CLK_MAIN_N<7>: length 140.2
  TOP w0.15: U7.4 124.53,26.46 125.05,25.93 R194.2 125.05,25.4 124.75,25.09 124.75,24.66 125.3,24.1 128.93,24.1 129.47,23.56 129.48,23.56 129.48,23.55 129.48,23.54 130.99,22.04 130.99,16.98 130.9,16.89 130.9,12.48 130.75,12.33 130.75,11.57 130.9,11.42 130.9,5.01 132.02,3.89 132.59,3.89 v2(132.8,4.1)
  L3_SIG w0.15: v2(132.8,4.1) 132.61,3.91 131.97,3.91 130.27,2.21 110.16,2.21 110.11,2.16 87.44,2.16 87.04,2.56 75.68,2.56 75.41,2.83 74.61,2.83 74.56,2.87 73.84,2.87 73.79,2.83 72.11,2.83 71.94,3 65.96,3 65.77,2.81 64.53,2.81 64.04,3.3 62.5,3.3 61.88,3.92 60.26,3.92 60.06,3.73 53.71,3.73 53.66,3.77 52.94,3.77 52.72,3.56 52.45,3.56 52.33,3.44 51.87,3.44 51.81,3.5 51.69,3.5 51.63,3.56 45.78,3.56 45.58,3.76 37.39,3.76 37.31,3.84 35.49,3.84 35.41,3.76 33.75,3.76 33.73,3.74 33.27,3.74 33.25,3.76 33,3.76 32.95,3.8 29.83,3.8 29.76,3.87 28.83,3.87 28.5,4.2 v2(28.1,4.2)
  BOTTOM w0.15: v2(28.1,4.2) 28.1,4.14 27.95,3.99 26.71,3.99 26.45,4.25 IC3.50
CLK_MAIN_N<8>: length 71.8
  TOP w0.15: v2(82.27,9.98) 81.85,10.39 82.27,10.8